# Altium PCB ANTS-MotherBoard-B1.PcbDoc (part 1 of 2) (continued)
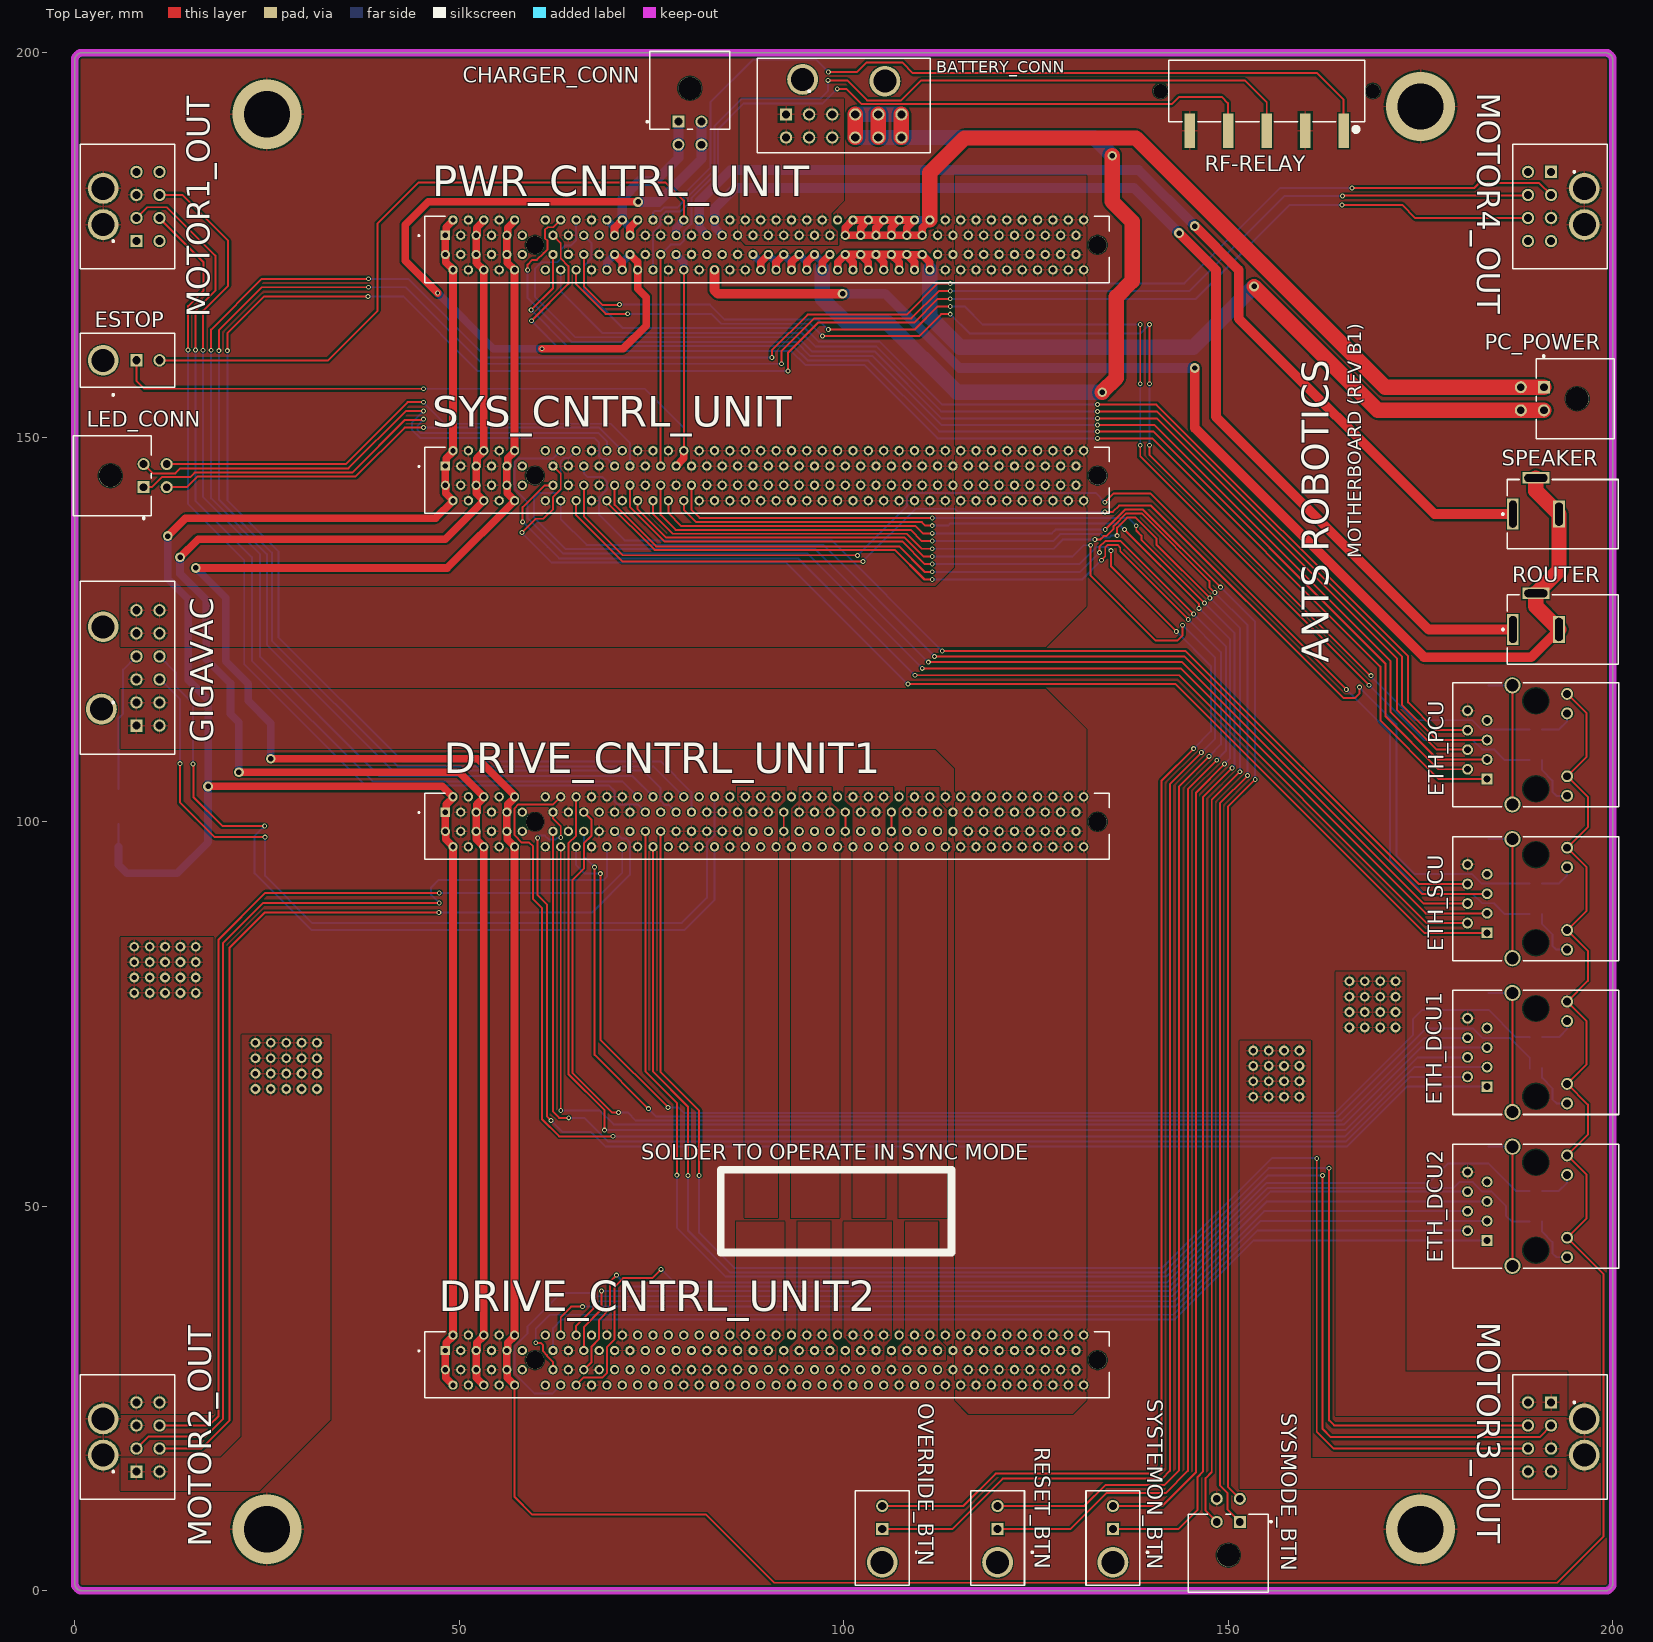
[diagram p0: Top Layer view]
## Part data (continued)
BATTERY_CONN GIGAVAC: library part "Molex 0430451-200", "3 mm Pitch Micro-Fit 3.0 Connector, 17.27 mm Mated Height, Vertical, Through Hole, 12 Circuits, -40 to 105 degC, RoHS, Tray", PartNumber=43045-0812, Temperature Max="105 degC", Temperature Min="-40 degC", ComponentLink1Description="Manufacturer URL", ComponentLink1URL=http://www.molex.com/, ComponentLink2Description=Datasheet, ComponentLink2URL=http://www.molex.com/webdocs/datasheets/pdf/en-us/0430450812_PCB_HEADERS.pdf, ComponentLink3Description="Package Specification", ComponentLink3URL=http://www.molex.com/pdm_docs/sd/430450812_sd.pdf, Mounting Technology="Through Hole", No. of Positions=8, No. of Rows=2, Orientation=Vertical, PackageDescription="8-Pin PCB Header, Vertical, Pitch 3 mm, Mated Height 17.27 mm, Through Hole", PackageVersion="Rev. F, 06/2009", Packing=Tray, Pitch="3 mm", RoHS=TRUE
C1 C2 C3 C4: library part CMP-2000-06032-1, "Chip Capacitor, 1000 pF, +/- 10%, 2000 V, -55 to 125 degC, 1812 (4532 Metric), RoHS, Tape and Reel", Capacitance=1000pF, Manufacturer=Kemet, Operating Temperature=-55°C~125°C, Package / Case=1812(4532Metric), Package Description="2-Pin Surface Mount Device, Body 4.5 x 3.2 mm", Package Reference=1812, Ratings=-, Standard Package=1, Temperature Coefficient=X7R, Tolerance=±10%, Voltage - Rated=2000V(2kV), Applications=SMPSFiltering, Catalog Drawings=ACTU_1812, Category=Capacitors, Datasheet URL=http://capacitoredge.kemet.com/capedge2/DataSheet/Datasheet-C1812C102KGRACTU.pdf?pn=C1812C102KGRACTU, Datasheet Version=09/2016, Family=CeramicCapacitors, Features=HighVoltage, Height - Seated (Max)=-, Kits=399-5086-ND-KITCERHI-VOLTAGECAPS, Lead Spacing=-, Lead Style=-, Manufacturer URL=http://www.kemet.com/, Mounting Technology=SurfaceMount, Mounting Type=SurfaceMount,MLCC, Online Catalog=X7RDielectricHighVoltage, Other Names=399-3447-1, Packaging=CutTape(CT), Product Training Modules=CapacitorBasics-TypicalUsesforCapacitors, Series=C, Size / Dimension="0.177\"Lx0.126\"W(4.50mmx3.20mm)", Thickness (Max)="0.061\"(1.55mm)"
C7 C8: library part CMP-1036-04607-3, "CAP CER 0.33UF 50V X7R 0805", Capacitance="0.33 μF", Manufacturer=KEMET, Manufacturer Part Number=C0805C334K5RACTU, Package=C0805C-DN, Temperature="-55°C to +125°C", Temperature Characteristic=X7R, Temperature Coefficient=30ppm/°C, Temperature Range High=+125°C, Temperature Range Low=-55°C, Tolerance=0.1, Voltage Rating="50 V", Automotive=No, Category=Cap, ComponentLink2Description=Datasheet, ComponentLink2URL=https://content.kemet.com/datasheets/KEM_C1003_C0G_SMD.pdf, Device Class L1="Passive Components", Device Class L2=Capacitors, Device Class L3="Ceramic Capacitors", Digikey Description="CAP CER 0.33UF 50V X7R 0805", Height=0.88mm, Ipc Land Pattern Name=CAPC200125X78, Lead Free=Yes, Material=Ceramic, Mouser Description="Multilayer Ceramic Capacitors MLCC - SMD/SMT 50volts 0.33uF 10% X7R", Octopart=https://octopart.com/c0805c334k5ractu-kemet-10475704, RoHS=TRUE
CHARGER_CONN LED_CONN PC_POWER SYSMODE_BTN: library part CMP-04776-000002-1, "CONN HEADER R/A 4POS 3MM", Current Rating=8.5A, Manufacturer=Molex, Temperature="-40°C to +105°C", Temperature Range High=+105°C, Temperature Range Low=-40°C, Voltage Rating=600V, Automotive=No, Category=Conn, ComponentLink2Description=Datasheet, ComponentLink2URL=https://www.molex.com/webdocs/datasheets/pdf/en-us/0430450400_PCB_HEADERS.pdf, Conn Gender=Male, Conn Orientation="Right Angle", Contact Material=Tin,Nickel, Device Class L1=Connectors, Device Class L2="Headers and Wire Housings", Device Class L3=unset, Digikey Description="CONN HEADER R/A 4POS 3MM", Footprint Url=https://www.molex.com/pdm_docs/sd/430450400_sd.pdf, Height=9.27mm, Is Female=yes, Lead Free=Yes, Manufacturer Part Number=43045-0400, Number Of Contacts=4, Number Of Rows=2, Octopart=https://octopart.com/43045-0400-molex-287063, Package=43045-0400, Pitch=3mm, RoHS=TRUE
DRIVE_CNTRL_UNIT1 DRIVE_CNTRL_UNIT2 PWR_CNTRL_UNIT SYS_CNTRL_UNIT: "164-position SAMTEC female header"
ESTOP OVERRIDE_BTN RESET_BTN SYSTEMON_BTN: library part "Molex 0430450-200", "3 mm Pitch Micro-Fit 3.0 Connector, 17.27 mm Mated Height, Vertical, Through Hole, 2 Circuits, -40 to 105 degC, RoHS, Tray", PartNumber=43045-0812, Temperature Max="105 degC", Temperature Min="-40 degC", ComponentLink1Description="Manufacturer URL", ComponentLink1URL=http://www.molex.com/, ComponentLink2Description=Datasheet, ComponentLink2URL=http://www.molex.com/webdocs/datasheets/pdf/en-us/0430450812_PCB_HEADERS.pdf, ComponentLink3Description="Package Specification", ComponentLink3URL=http://www.molex.com/pdm_docs/sd/430450812_sd.pdf, Mounting Technology="Through Hole", No. of Positions=8, No. of Rows=2, Orientation=Vertical, PackageDescription="8-Pin PCB Header, Vertical, Pitch 3 mm, Mated Height 17.27 mm, Through Hole", PackageVersion="Rev. F, 06/2009", Packing=Tray, Pitch="3 mm", RoHS=TRUE
ETH_DCU1 ETH_DCU2 ETH_PCU ETH_SCU: library part CMP-2000-07059-1, "1 Port RJ45 Magjack Connector with Yellow and Green LED, 10/100 Base-T, 12-Pin THD, RoHS, Tray", Manufacturer="Bel Fuse", Package Description="12-Pin Through Hole Device, Body 21.59 x 16.13 mm", Connector Type=RJ45, Contact Material=CopperAlloy, Contact Plating=Gold, Datasheet URL=http://belfuse.com/pdfs/SI-60062-F.pdf, Datasheet Version="Rev. B0, 09/2008", Depth=21.59mm, Gender=Female, Length=15.21mm, Manufacturer URL=http://belfuse.com/, Mounting Technology=ThroughHole, Mounting Type=ThroughHole, Number of Ways=8P4C, Orientation=Straight, Package Reference=SI-60062-F, Series=MagJack, Shield Type=STP, Width=17.98mm
MOTOR1_OUT MOTOR2_OUT MOTOR3_OUT MOTOR4_OUT: library part "Molex 0430450-800", "3 mm Pitch Micro-Fit 3.0 Connector, 17.27 mm Mated Height, Vertical, Through Hole, 8 Circuits, -40 to 105 degC, RoHS, Tray", PartNumber=43045-0812, Temperature Max="105 degC", Temperature Min="-40 degC", ComponentLink1Description="Manufacturer URL", ComponentLink1URL=http://www.molex.com/, ComponentLink2Description=Datasheet, ComponentLink2URL=http://www.molex.com/webdocs/datasheets/pdf/en-us/0430450812_PCB_HEADERS.pdf, ComponentLink3Description="Package Specification", ComponentLink3URL=http://www.molex.com/pdm_docs/sd/430450812_sd.pdf, Mounting Technology="Through Hole", No. of Positions=8, No. of Rows=2, Orientation=Vertical, PackageDescription="8-Pin PCB Header, Vertical, Pitch 3 mm, Mated Height 17.27 mm, Through Hole", PackageVersion="Rev. F, 06/2009", Packing=Tray, Pitch="3 mm", RoHS=TRUE
R1 R2 R3 R4 R5 R6 R7 R8: library part CMP-2000-06960-1, "Chip Resistor, 330 Ohm, +/- 1%, 125 mW, -55 to 155 degC, 0805 (2012 Metric), RoHS, Tape and Reel", Case Code - in=0805, Case Code - mm=2012, Manufacturer=Yageo, Operating Temperature Range=-55Cto+155C, Package Description="2-Pin Surface Mounted Device, Body 2 x 1.25 mm", Power Rating=125mW(1/8W), Resistance=330Ohms, Temperature Coefficient=100PPM/C, Tolerance=1%, Voltage Rating=150V, Datasheet URL=http://www.yageo.com/documents/recent/PYu-RC_Group_51_RoHS_L_7.pdf, Datasheet Version="Rev. 7, 05/2017", Manufacturer URL=http://www.yageo.com/, Mounting Technology=SurfaceMount, Package Reference=0805, Packaging=Reel, Product=ThickFilmResistorsGeneralPurpose, Series=RC, Termination Style=SMD/SMT
RF-RELAY: library part CMP-1502-03338-1, "Serie 7097 - 5.00 mm Horizontal Entry SMT with Pressure Clamp WR-TBL, 5 pin", Manufacturer="Wurth Elektronik", Operating Temperature=-45to130degC, Datasheet URL=http://katalog.we-online.de/em/datasheet/6917097103xx.pdf, Manufacturer URL=http://www.we-online.de, Mounting Technology=SMT, Package Reference=691709710305, Packaging=TapeandReelwithCap, Part Number=691709710305, Pin Number=5, Pitch=5.00mm, Publisher=WurthElektronik
ROUTER SPEAKER: library part CMP-2000-06895-1, "Through Hole Right Angle DC Power Jack, 2.5 A, 2 mm Center Pin, 3 Position, -25 to 85 degC, RoHS, Bulk", Current Rating=2.5A, Flammability Rating=UL94V-0, Insulation Resistance=50MOhms, Manufacturer=CUIInc., Operating Temperature Range=-25Cto+85C, Package Description="3-Pin Through Hole Device, Body 14.4 x 9 mm, Height 11 mm", Voltage Rating=24V, Brand=CUI, Connector Type=DCPowerJack, Contact Gender=Male, Contact Material=Copper, Contact Plating=Nickel, Datasheet URL=http://www.cui.com/product/resource/pj-002a.pdf, Datasheet Version="Rev. 1.03, 04/2016", Factory Pack Quantity=500, Housing Material=PolybutyleneTerephthalate(PBT), Inside Contact Diameter=2mm, Manufacturer URL=http://www.cui.com/, Mounting Angle=Right, Mounting Style=ThroughHole, Mounting Technology=ThroughHole, Outside Contact Diameter=6.5mm, Package Reference=PJ-002A, Product=Jacks, Product Category=DCPowerConnectors, RoHS=True, Termination Style=ThroughHole
U1: library part CMP-0244-00186-1, "Precision 500mA Regulator, 12V, 3-Pin DPAK, Tape and Reel", ComponentLink1Description="Manufacturer URL", ComponentLink1URL=http://www.st.com, ComponentLink2Description=Datasheet, ComponentLink2URL=http://www.st.com/internet/com/TECHNICAL_RESOURCES/TECHNICAL_LITERATURE/DATASHEET/CD00000448.pdf, DatasheetVersion=1/11/2010, PackageDescription="3-Pin Transistor Outline Package 2.28 mm Pitch, 9.7 mm Lead Span (DPAK)", PackageReference=TO-252, PackageVersion=2011

## Via types
v1: diameter 0.635, hole 0.356, Top Layer to Bottom Layer, 132 vias
v2: diameter 1.27, hole 0.711, Top Layer to Bottom Layer, 86 vias
v3: diameter 9, hole 6, Top Layer to Bottom Layer, 4 vias

## Nets (pads, with @x,y where several pads share a name; then routed paths per layer and width w, separated by ;. In a path a pad name is that pad's centre, name@x,y a point inside that pad or via, vN(x,y) a via of type N, cw(c..) or ccw(c..) an arc to the next point about the centre after c; other vN are vias at no path point)
3V3_DIGITAL: DRIVE_CNTRL_UNIT1.A9 DRIVE_CNTRL_UNIT1.A10 DRIVE_CNTRL_UNIT1.B9 DRIVE_CNTRL_UNIT1.B10 DRIVE_CNTRL_UNIT2.A9 DRIVE_CNTRL_UNIT2.A10 DRIVE_CNTRL_UNIT2.B9 DRIVE_CNTRL_UNIT2.B10 ETH_DCU1.10 ETH_DCU1.12 ETH_DCU2.10 ETH_DCU2.12 ETH_PCU.10 ETH_PCU.12 ETH_SCU.10 ETH_SCU.12 PWR_CNTRL_UNIT.A9 PWR_CNTRL_UNIT.A10 PWR_CNTRL_UNIT.B9 PWR_CNTRL_UNIT.B10 SYS_CNTRL_UNIT.A9 SYS_CNTRL_UNIT.A10 SYS_CNTRL_UNIT.B9 SYS_CNTRL_UNIT.B10 | length 512.7
  Top Layer w0.254: DRIVE_CNTRL_UNIT2.B10@57.2,26.75 57.2,12.2 59.5,9.9 82.1,9.9 90.95,1.05 192.75,1.05 198.8,7.1 198.8,41.175 ETH_DCU2.10@194.06,45.915 196.6,48.455 196.6,54.085 ETH_DCU2.12@194.06,56.625 196.75,59.315 196.75,63.225 ETH_DCU1.10@194.06,65.915 196.6,68.455 196.6,74.085 ETH_DCU1.12@194.06,76.625 196.75,79.315 196.75,83.225 ETH_SCU.10@194.06,85.915 196.6,88.455 196.6,94.085 ETH_SCU.12@194.06,96.625 196.75,99.315 196.75,103.225 ETH_PCU.10@194.06,105.915 196.6,108.455 196.6,114.085 ETH_PCU.12@194.06,116.625
  Top Layer w1: v2(15.75,133) 48.45,133 SYS_CNTRL_UNIT.B10@57.2,141.75 56.24,142.71 SYS_CNTRL_UNIT.B9@56.24,143.654 ; v2(25.5,108.2) 52.4,108.2 57.2,103.4 DRIVE_CNTRL_UNIT1.A10@57.2,103.25 ; DRIVE_CNTRL_UNIT2.B9@56.2,28.694 DRIVE_CNTRL_UNIT2.B9@56.2,28.75 DRIVE_CNTRL_UNIT2.A9@56.2,31.194 ; DRIVE_CNTRL_UNIT1.B9@56.2,98.694 DRIVE_CNTRL_UNIT1.B9@56.2,98.75 DRIVE_CNTRL_UNIT1.A9@56.2,101.194 ; SYS_CNTRL_UNIT.B9@56.2,143.694 SYS_CNTRL_UNIT.B9@56.2,143.75 SYS_CNTRL_UNIT.A9@56.2,146.194 ; PWR_CNTRL_UNIT.B9@56.2,173.694 PWR_CNTRL_UNIT.B9@56.2,173.75 PWR_CNTRL_UNIT.A9@56.2,176.194 ; DRIVE_CNTRL_UNIT2.B9@56.24,28.654 56.24,27.71 DRIVE_CNTRL_UNIT2.B10@57.2,26.75 ; DRIVE_CNTRL_UNIT1.B9@56.24,98.654 56.24,97.71 DRIVE_CNTRL_UNIT1.B10@57.2,96.75 DRIVE_CNTRL_UNIT2.A10@57.2,33.25 ; PWR_CNTRL_UNIT.B9@56.24,173.654 56.24,172.71 PWR_CNTRL_UNIT.B10@57.2,171.75 SYS_CNTRL_UNIT.A10@57.2,148.25 ; DRIVE_CNTRL_UNIT2.A9@56.304,31.298 56.304,32.241 DRIVE_CNTRL_UNIT2.A10@57.2,33.137 ; DRIVE_CNTRL_UNIT1.A9@56.304,101.298 56.304,102.241 DRIVE_CNTRL_UNIT1.A10@57.2,103.137 ; SYS_CNTRL_UNIT.A9@56.304,146.298 56.304,147.241 SYS_CNTRL_UNIT.A10@57.2,148.137 ; PWR_CNTRL_UNIT.A9@56.304,176.298 56.304,177.241 PWR_CNTRL_UNIT.A10@57.2,178.137
  Bottom Layer w1: v2(15.75,133) 19.65,129.1 19.65,120.85 22.55,117.95 22.55,115.728 25.5,112.778 v2(25.5,108.2)
5V_DIGITAL: DRIVE_CNTRL_UNIT1.A5 DRIVE_CNTRL_UNIT1.A6 DRIVE_CNTRL_UNIT1.B5 DRIVE_CNTRL_UNIT1.B6 DRIVE_CNTRL_UNIT2.A5 DRIVE_CNTRL_UNIT2.A6 DRIVE_CNTRL_UNIT2.B5 DRIVE_CNTRL_UNIT2.B6 PWR_CNTRL_UNIT.A5 PWR_CNTRL_UNIT.A6 PWR_CNTRL_UNIT.B5 PWR_CNTRL_UNIT.B6 SYS_CNTRL_UNIT.A5 SYS_CNTRL_UNIT.A6 SYS_CNTRL_UNIT.B5 SYS_CNTRL_UNIT.B6 | length 221.9
  Top Layer w1: v2(13.7,134.4) 16.05,136.75 48.2,136.75 SYS_CNTRL_UNIT.B6@53.2,141.75 52.24,142.71 SYS_CNTRL_UNIT.B5@52.24,143.654 ; v2(21.35,106.45) 50,106.45 DRIVE_CNTRL_UNIT1.A6@53.2,103.25 ; DRIVE_CNTRL_UNIT2.B5@52.2,28.694 DRIVE_CNTRL_UNIT2.B5@52.2,28.75 DRIVE_CNTRL_UNIT2.A5@52.2,31.194 ; DRIVE_CNTRL_UNIT1.B5@52.2,98.694 DRIVE_CNTRL_UNIT1.B5@52.2,98.75 DRIVE_CNTRL_UNIT1.A5@52.2,101.194 ; SYS_CNTRL_UNIT.B5@52.2,143.694 SYS_CNTRL_UNIT.B5@52.2,143.75 SYS_CNTRL_UNIT.A5@52.2,146.194 ; PWR_CNTRL_UNIT.B5@52.2,173.694 PWR_CNTRL_UNIT.B5@52.2,173.75 PWR_CNTRL_UNIT.A5@52.2,176.194 ; DRIVE_CNTRL_UNIT2.B5@52.24,28.654 52.24,27.71 DRIVE_CNTRL_UNIT2.B6@53.2,26.75 ; DRIVE_CNTRL_UNIT1.B5@52.24,98.654 52.24,97.71 DRIVE_CNTRL_UNIT1.B6@53.2,96.75 DRIVE_CNTRL_UNIT2.A6@53.2,33.25 ; PWR_CNTRL_UNIT.B5@52.24,173.654 52.24,172.71 PWR_CNTRL_UNIT.B6@53.2,171.75 SYS_CNTRL_UNIT.A6@53.2,148.25 ; DRIVE_CNTRL_UNIT2.A5@52.304,31.298 52.304,32.241 DRIVE_CNTRL_UNIT2.A6@53.2,33.137 ; DRIVE_CNTRL_UNIT1.A5@52.304,101.298 52.304,102.241 DRIVE_CNTRL_UNIT1.A6@53.2,103.137 ; SYS_CNTRL_UNIT.A5@52.304,146.298 52.304,147.241 SYS_CNTRL_UNIT.A6@53.2,148.137 ; PWR_CNTRL_UNIT.A5@52.304,176.298 52.304,177.241 PWR_CNTRL_UNIT.A6@53.2,178.137
  Bottom Layer w1: v2(13.7,134.4) 13.7,132.25 17.1,128.85 17.1,121.15 20.25,118 20.25,114.023 21.35,112.923 v2(21.35,106.45)
12V_RF_RELAY: PWR_CNTRL_UNIT.A26 RF-RELAY.1 | length 111.7
  Top Layer w0.254: v1(98,197.5) 101.75,197.5 102.95,198.7 107.65,198.7 109,197.35 161.55,197.35 165,193.9 RF-RELAY.1@165,189.85
  Bottom Layer w0.254: PWR_CNTRL_UNIT.A26@75.2,178.25 75.2,179.2 75.4,179.4 76.15,179.4 76.6,179.85 78.35,179.85 79.15,180.65 79.15,181.55 82.7,185.1 82.7,193.6 88.2,199.1 96.4,199.1 v1(98,197.5)
12V_SIG_RF: PWR_CNTRL_UNIT.B26 RF-RELAY.3 | length 105.4
  Top Layer w0.254: v1(97.95,196.4) 100.45,196.4 103.05,193.8 107.45,193.8 110.05,196.4 152.15,196.4 155,193.55 155,190.15 154.85,190 RF-RELAY.3@155,189.85
  Bottom Layer w0.254: PWR_CNTRL_UNIT.B26@75.2,171.75 75.2,176.65 76.2,177.65 76.2,178.65 76.9,179.35 78.8,179.35 79.745,180.295 79.745,181.245 83.191,184.691 83.191,190.441 86.8,194.05 97,194.05 97.95,195 v1(97.95,196.4)
+12_GIGAVAC: C8.1 GIGAVAC.4 U1.3 | length 18.2
  Bottom Layer w0.254: U1.3@5.7,104.28 C8.1@5.7,107.25 5.7,113.45 6.3,114.05 6.3,119.77 GIGAVAC.4@8.03,121.5
+12V_ROUTER: PWR_CNTRL_UNIT.A34 PWR_CNTRL_UNIT.A35 ROUTER.1 | length 143.8
  Top Layer w1.27: v2(143.6,176.55) 148.4,171.75 148.4,152.65 176.05,125 ROUTER.1@187,125
  Bottom Layer w1.016: PWR_CNTRL_UNIT.A34@83.237,178.213 83.237,177.265 84.2,176.302 PWR_CNTRL_UNIT.A35@84.2,176.25
  Bottom Layer w1.27: PWR_CNTRL_UNIT.A34@83.2,178.25 83.237,178.213 83.237,179.787 85.85,182.4 137.75,182.4 v2(143.6,176.55)
+12V_SPEAKER: PWR_CNTRL_UNIT.A32 PWR_CNTRL_UNIT.A33 SPEAKER.1 | length 134.5
  Top Layer w1.27: v2(145.65,177.45) 151.35,171.75 151.35,165.45 176.8,140 SPEAKER.1@187,140
  Bottom Layer w1.016: PWR_CNTRL_UNIT.A32@81.2,178.25 81.237,178.213 81.237,177.265 82.2,176.302 PWR_CNTRL_UNIT.A33@82.2,176.25
  Bottom Layer w1.27: PWR_CNTRL_UNIT.A32@81.2,178.25 81.2,180.65 85.3,184.75 138.35,184.75 v2(145.65,177.45)
+19V_PC: PC_POWER.1 PC_POWER.3 PWR_CNTRL_UNIT.A51 PWR_CNTRL_UNIT.A52 PWR_CNTRL_UNIT.A53 PWR_CNTRL_UNIT.A54 PWR_CNTRL_UNIT.A55 PWR_CNTRL_UNIT.A56 PWR_CNTRL_UNIT.A57 PWR_CNTRL_UNIT.A58 PWR_CNTRL_UNIT.A59 PWR_CNTRL_UNIT.A60 PWR_CNTRL_UNIT.A61 PWR_CNTRL_UNIT.A62 | length 168.2
  Top Layer w1: PWR_CNTRL_UNIT.A62@111.2,178.25 110.2,177.25 PWR_CNTRL_UNIT.A61@110.2,176.25 PWR_CNTRL_UNIT.A59@108.2,176.25 ; PWR_CNTRL_UNIT.A53@102.2,176.25 102.2,177.25 PWR_CNTRL_UNIT.A54@103.2,178.25 ; PWR_CNTRL_UNIT.A53@102.2,176.25 PWR_CNTRL_UNIT.A51@100.2,176.25 100.2,177.25 PWR_CNTRL_UNIT.A52@101.2,178.25 PWR_CNTRL_UNIT.A54@103.2,178.25 ; PWR_CNTRL_UNIT.A53@102.2,176.25 PWR_CNTRL_UNIT.A55@104.2,176.25 ; PWR_CNTRL_UNIT.A54@103.2,178.25 PWR_CNTRL_UNIT.A56@105.2,178.25 ; PWR_CNTRL_UNIT.A55@104.2,176.25 104.2,177.25 PWR_CNTRL_UNIT.A56@105.2,178.25 ; PWR_CNTRL_UNIT.A55@104.2,176.25 PWR_CNTRL_UNIT.A57@106.2,176.25 ; PWR_CNTRL_UNIT.A56@105.2,178.25 PWR_CNTRL_UNIT.A58@107.2,178.25 ; PWR_CNTRL_UNIT.A57@106.2,176.25 106.2,177.25 PWR_CNTRL_UNIT.A58@107.2,178.25 ; PWR_CNTRL_UNIT.A57@106.2,176.25 PWR_CNTRL_UNIT.A59@108.2,176.25 ; PWR_CNTRL_UNIT.A58@107.2,178.25 PWR_CNTRL_UNIT.A60@109.2,178.25 108.2,177.25 PWR_CNTRL_UNIT.A59@108.2,176.25
  Top Layer w2: PWR_CNTRL_UNIT.A62@111.2,178.25 111.2,184.4 115.7,188.9 138,188.9 170.4,156.5 PC_POWER.3@188.035,156.5 PC_POWER.1@191.035,156.5
  Bottom Layer w1: PWR_CNTRL_UNIT.A53@102.2,176.25 PWR_CNTRL_UNIT.A55@104.2,176.25 ; PWR_CNTRL_UNIT.A53@102.2,176.25 102.2,177.25 PWR_CNTRL_UNIT.A54@103.2,178.25 ; PWR_CNTRL_UNIT.A53@102.2,176.25 PWR_CNTRL_UNIT.A51@100.2,176.25 100.2,177.25 PWR_CNTRL_UNIT.A52@101.2,178.25 PWR_CNTRL_UNIT.A54@103.2,178.25 ; PWR_CNTRL_UNIT.A54@103.2,178.25 PWR_CNTRL_UNIT.A56@105.2,178.25 ; PWR_CNTRL_UNIT.A55@104.2,176.25 PWR_CNTRL_UNIT.A57@106.2,176.25 ; PWR_CNTRL_UNIT.A55@104.2,176.25 104.2,177.25 PWR_CNTRL_UNIT.A56@105.2,178.25 ; PWR_CNTRL_UNIT.A56@105.2,178.25 PWR_CNTRL_UNIT.A58@107.2,178.25 ; PWR_CNTRL_UNIT.A57@106.2,176.25 PWR_CNTRL_UNIT.A59@108.2,176.25 ; PWR_CNTRL_UNIT.A57@106.2,176.25 106.2,177.25 PWR_CNTRL_UNIT.A58@107.2,178.25 ; PWR_CNTRL_UNIT.A58@107.2,178.25 PWR_CNTRL_UNIT.A60@109.2,178.25 ; PWR_CNTRL_UNIT.A59@108.2,176.25 PWR_CNTRL_UNIT.A61@110.2,176.25 110.2,177.25 PWR_CNTRL_UNIT.A62@111.2,178.25 PWR_CNTRL_UNIT.A60@109.2,178.25 ; PWR_CNTRL_UNIT.A59@108.2,176.25 108.2,177.25 PWR_CNTRL_UNIT.A60@109.2,178.25
+24V_BAT_RAW: BATTERY_CONN.1 BATTERY_CONN.2 BATTERY_CONN.3 BATTERY_CONN.7 BATTERY_CONN.8 BATTERY_CONN.9 PWR_CNTRL_UNIT.A38 PWR_CNTRL_UNIT.A39 PWR_CNTRL_UNIT.A40 PWR_CNTRL_UNIT.A41 PWR_CNTRL_UNIT.A42 PWR_CNTRL_UNIT.A43 PWR_CNTRL_UNIT.A44 PWR_CNTRL_UNIT.A45 PWR_CNTRL_UNIT.A46 PWR_CNTRL_UNIT.A47 PWR_CNTRL_UNIT.A48 PWR_CNTRL_UNIT.A49
+24V_DIGITAL: C7.1 DRIVE_CNTRL_UNIT1.A1 DRIVE_CNTRL_UNIT1.A2 DRIVE_CNTRL_UNIT1.B1 DRIVE_CNTRL_UNIT1.B2 DRIVE_CNTRL_UNIT2.A1 DRIVE_CNTRL_UNIT2.A2 DRIVE_CNTRL_UNIT2.B1 DRIVE_CNTRL_UNIT2.B2 PWR_CNTRL_UNIT.A1 PWR_CNTRL_UNIT.A2 PWR_CNTRL_UNIT.B1 PWR_CNTRL_UNIT.B2 SYS_CNTRL_UNIT.A1 SYS_CNTRL_UNIT.A2 SYS_CNTRL_UNIT.B1 SYS_CNTRL_UNIT.B2 U1.1 | length 247.9
  Top Layer w1: v2(12.1,137.15) 14.406,139.456 46.906,139.456 SYS_CNTRL_UNIT.B2@49.2,141.75 48.24,142.71 SYS_CNTRL_UNIT.B1@48.24,143.654 ; v2(17.35,104.6) 47.794,104.6 49.144,103.25 DRIVE_CNTRL_UNIT1.A2@49.2,103.25 ; DRIVE_CNTRL_UNIT2.B1@48.2,28.694 DRIVE_CNTRL_UNIT2.B1@48.2,28.75 DRIVE_CNTRL_UNIT2.A1@48.2,31.194 ; DRIVE_CNTRL_UNIT1.B1@48.2,98.694 DRIVE_CNTRL_UNIT1.B1@48.2,98.75 DRIVE_CNTRL_UNIT1.A1@48.2,101.194 ; SYS_CNTRL_UNIT.B1@48.2,143.694 SYS_CNTRL_UNIT.B1@48.2,143.75 SYS_CNTRL_UNIT.A1@48.2,146.194 ; DRIVE_CNTRL_UNIT2.B1@48.24,28.654 48.24,27.71 DRIVE_CNTRL_UNIT2.B2@49.2,26.75 ; DRIVE_CNTRL_UNIT1.B1@48.24,98.654 48.24,97.71 DRIVE_CNTRL_UNIT1.B2@49.2,96.75 DRIVE_CNTRL_UNIT2.A2@49.2,33.25 ; DRIVE_CNTRL_UNIT2.A1@48.304,31.298 48.304,32.241 DRIVE_CNTRL_UNIT2.A2@49.2,33.137 ; DRIVE_CNTRL_UNIT1.A1@48.304,101.298 48.304,102.241 DRIVE_CNTRL_UNIT1.A2@49.2,103.137 ; SYS_CNTRL_UNIT.A1@48.304,146.298 48.304,147.241 SYS_CNTRL_UNIT.A2@49.2,148.137 ; SYS_CNTRL_UNIT.A2@49.2,148.25 PWR_CNTRL_UNIT.B2@49.2,171.75 49.2,171.806 48.24,172.766 48.24,173.71 PWR_CNTRL_UNIT.B1@48.2,173.75 PWR_CNTRL_UNIT.A1@48.2,176.25 48.304,176.354 48.304,177.298 49.2,178.194 PWR_CNTRL_UNIT.A2@49.2,178.25
  Bottom Layer w0.254: C7.1@5.7,96.75 U1.1@5.7,99.72
  Bottom Layer w1: v2(12.1,137.15) 12.1,131.603 14.75,128.953 14.75,118.427 17.35,115.827 v2(17.35,104.6)
  Bottom Layer w1.016: C7.1@5.7,96.75 5.7,94.4 6.8,93.3 13.3,93.3 17.35,97.35 v2(17.35,104.6)
+24V_MOTOR: DRIVE_CNTRL_UNIT1.A66 DRIVE_CNTRL_UNIT1.A67 DRIVE_CNTRL_UNIT1.A68 DRIVE_CNTRL_UNIT1.A69 DRIVE_CNTRL_UNIT1.A70 DRIVE_CNTRL_UNIT1.A71 DRIVE_CNTRL_UNIT1.A72 DRIVE_CNTRL_UNIT1.A73 DRIVE_CNTRL_UNIT1.A74 DRIVE_CNTRL_UNIT1.A75 DRIVE_CNTRL_UNIT1.A76 DRIVE_CNTRL_UNIT1.A77 DRIVE_CNTRL_UNIT1.A78 DRIVE_CNTRL_UNIT1.A79 DRIVE_CNTRL_UNIT1.A80 DRIVE_CNTRL_UNIT1.A81 DRIVE_CNTRL_UNIT1.A82 DRIVE_CNTRL_UNIT1.B66 DRIVE_CNTRL_UNIT1.B67 DRIVE_CNTRL_UNIT1.B68 DRIVE_CNTRL_UNIT1.B69 DRIVE_CNTRL_UNIT1.B70 DRIVE_CNTRL_UNIT1.B71 DRIVE_CNTRL_UNIT1.B72 DRIVE_CNTRL_UNIT1.B73 DRIVE_CNTRL_UNIT1.B74 DRIVE_CNTRL_UNIT1.B75 DRIVE_CNTRL_UNIT1.B76 DRIVE_CNTRL_UNIT1.B77 DRIVE_CNTRL_UNIT1.B78 DRIVE_CNTRL_UNIT1.B79 DRIVE_CNTRL_UNIT1.B80 DRIVE_CNTRL_UNIT1.B81 DRIVE_CNTRL_UNIT1.B82 DRIVE_CNTRL_UNIT2.A66 DRIVE_CNTRL_UNIT2.A67 DRIVE_CNTRL_UNIT2.A68 DRIVE_CNTRL_UNIT2.A69 DRIVE_CNTRL_UNIT2.A70 DRIVE_CNTRL_UNIT2.A71 DRIVE_CNTRL_UNIT2.A72 DRIVE_CNTRL_UNIT2.A73 DRIVE_CNTRL_UNIT2.A74 DRIVE_CNTRL_UNIT2.A75 DRIVE_CNTRL_UNIT2.A76 DRIVE_CNTRL_UNIT2.A77 DRIVE_CNTRL_UNIT2.A78 DRIVE_CNTRL_UNIT2.A79 DRIVE_CNTRL_UNIT2.A80 DRIVE_CNTRL_UNIT2.A81 DRIVE_CNTRL_UNIT2.A82 DRIVE_CNTRL_UNIT2.B66 DRIVE_CNTRL_UNIT2.B67 DRIVE_CNTRL_UNIT2.B68 DRIVE_CNTRL_UNIT2.B69 DRIVE_CNTRL_UNIT2.B70 DRIVE_CNTRL_UNIT2.B71 DRIVE_CNTRL_UNIT2.B72 DRIVE_CNTRL_UNIT2.B73 DRIVE_CNTRL_UNIT2.B74 DRIVE_CNTRL_UNIT2.B75 DRIVE_CNTRL_UNIT2.B76 DRIVE_CNTRL_UNIT2.B77 DRIVE_CNTRL_UNIT2.B78 DRIVE_CNTRL_UNIT2.B79 DRIVE_CNTRL_UNIT2.B80 DRIVE_CNTRL_UNIT2.B81 DRIVE_CNTRL_UNIT2.B82 GIGAVAC.1 GIGAVAC.2 GIGAVAC.7 GIGAVAC.8
+24V_MOTOR_CONT: GIGAVAC.5 GIGAVAC.6 GIGAVAC.11 GIGAVAC.12 PWR_CNTRL_UNIT.A66 PWR_CNTRL_UNIT.A67 PWR_CNTRL_UNIT.A68 PWR_CNTRL_UNIT.A69 PWR_CNTRL_UNIT.A70 PWR_CNTRL_UNIT.A71 PWR_CNTRL_UNIT.A72 PWR_CNTRL_UNIT.A73 PWR_CNTRL_UNIT.A74 PWR_CNTRL_UNIT.A75 PWR_CNTRL_UNIT.A76 PWR_CNTRL_UNIT.A77 PWR_CNTRL_UNIT.A78 PWR_CNTRL_UNIT.A79 PWR_CNTRL_UNIT.A80 PWR_CNTRL_UNIT.A81 PWR_CNTRL_UNIT.A82 PWR_CNTRL_UNIT.B66 PWR_CNTRL_UNIT.B67 PWR_CNTRL_UNIT.B68 PWR_CNTRL_UNIT.B69 PWR_CNTRL_UNIT.B70 PWR_CNTRL_UNIT.B71 PWR_CNTRL_UNIT.B72 PWR_CNTRL_UNIT.B73 PWR_CNTRL_UNIT.B74 PWR_CNTRL_UNIT.B75 PWR_CNTRL_UNIT.B76 PWR_CNTRL_UNIT.B77 PWR_CNTRL_UNIT.B78 PWR_CNTRL_UNIT.B79 PWR_CNTRL_UNIT.B80 PWR_CNTRL_UNIT.B81 PWR_CNTRL_UNIT.B82 SYS_CNTRL_UNIT.A66 SYS_CNTRL_UNIT.A67 SYS_CNTRL_UNIT.A68 SYS_CNTRL_UNIT.A69 SYS_CNTRL_UNIT.A70 SYS_CNTRL_UNIT.A71 SYS_CNTRL_UNIT.A72 SYS_CNTRL_UNIT.A73 SYS_CNTRL_UNIT.A74 SYS_CNTRL_UNIT.A75 SYS_CNTRL_UNIT.A76 SYS_CNTRL_UNIT.A77 SYS_CNTRL_UNIT.A78 SYS_CNTRL_UNIT.A79 SYS_CNTRL_UNIT.A80 SYS_CNTRL_UNIT.A81 SYS_CNTRL_UNIT.A82 SYS_CNTRL_UNIT.B66 SYS_CNTRL_UNIT.B67 SYS_CNTRL_UNIT.B68 SYS_CNTRL_UNIT.B69 SYS_CNTRL_UNIT.B70 SYS_CNTRL_UNIT.B71 SYS_CNTRL_UNIT.B72 SYS_CNTRL_UNIT.B73 SYS_CNTRL_UNIT.B74 SYS_CNTRL_UNIT.B75 SYS_CNTRL_UNIT.B76 SYS_CNTRL_UNIT.B77 SYS_CNTRL_UNIT.B78 SYS_CNTRL_UNIT.B79 SYS_CNTRL_UNIT.B80 SYS_CNTRL_UNIT.B81 SYS_CNTRL_UNIT.B82
ACT_LED_DCU1: DRIVE_CNTRL_UNIT1.B17 R6.2 | length 162.4
  Top Layer w0.254: v1(67.6,94.1) 67.6,69.7 v1(74.6,62.7)
  Bottom Layer w0.254: DRIVE_CNTRL_UNIT1.B17@66.2,98.75 66.2,95.5 v1(67.6,94.1) ; v1(74.6,62.7) 75.65,61.65 164.25,61.65 175.7,73.1 181.85,73.1 183.05,71.9 186.6,71.9 189.2,69.3 189.2,67.9 R6.2@189.2,68
ACT_LED_DCU2: DRIVE_CNTRL_UNIT2.B17 R8.2 | length 141.9
  Top Layer w0.254: DRIVE_CNTRL_UNIT2.B17@66.2,28.75 67.2,29.75 67.2,31.75 68.2,32.75 68.2,35.25 69.6,36.65 69.6,40.2 v1(70.45,41.05)
  Bottom Layer w0.254: v1(70.45,41.05) 71.95,39.55 142.3,39.55 155.15,52.4 179.3,52.4 180.05,53.15 181.8,53.15 183.05,51.9 184.25,51.9 186.1,50.05 186.1,48.8 186.9,48 R8.2@189.2,48
ACT_LED_PCU: PWR_CNTRL_UNIT.B17 R2.2 | length 165.2
  Top Layer w0.254: PWR_CNTRL_UNIT.B17@66.2,173.75 66.2,169.6 68.6,167.2 70.8,167.2 v1(70.85,167.25) ; v1(98,164) 109.2,164 112.2,167 v1(113.85,167) ; v1(138.55,148.95) 138.55,147.5 v1(168.3,117.75) ; v1(138.55,156.95) v1(138.55,164.65)
  Bottom Layer w0.254: v1(70.85,167.25) 82.6,167.25 84.55,165.3 96.7,165.3 v1(98,164) ; v1(113.85,167) 115.7,167 118.05,164.65 v1(138.55,164.65) ; v1(138.55,148.95) v1(138.55,156.95) ; v1(168.3,117.75) 175.45,110.6 181.8,110.6 183,109.4 184.55,109.4 185.95,108 R2.2@189.2,108
ACT_LED_SCU: R4.2 SYS_CNTRL_UNIT.B17 | length 166.6
  Top Layer w0.254: SYS_CNTRL_UNIT.B17@66.2,143.75 66.2,139.7 71.25,134.65 101.756,134.65 v1(101.8,134.606) ; v1(133.95,141.55) 135.1,142.7 139.85,142.7 v1(165.35,117.2)
  Bottom Layer w0.254: v1(101.8,134.606) 101.8,134.65 108.2,141.05 108.2,142.25 108.7,142.75 132.75,142.75 v1(133.95,141.55) ; v1(165.35,117.2) 171,111.55 171,95.05 175.45,90.6 181.8,90.6 183,89.4 184.55,89.4 185.95,88 R4.2@189.2,88
BAT_GND: BATTERY_CONN.4 BATTERY_CONN.5 BATTERY_CONN.6 BATTERY_CONN.10 BATTERY_CONN.11 BATTERY_CONN.12 PWR_CNTRL_UNIT.B39 PWR_CNTRL_UNIT.B40 PWR_CNTRL_UNIT.B41 PWR_CNTRL_UNIT.B42 PWR_CNTRL_UNIT.B43 PWR_CNTRL_UNIT.B44 PWR_CNTRL_UNIT.B45 PWR_CNTRL_UNIT.B46 PWR_CNTRL_UNIT.B47 PWR_CNTRL_UNIT.B48 PWR_CNTRL_UNIT.B49 | length 152.1
  Top Layer w1: PWR_CNTRL_UNIT.B40@89.2,171.75 89.2,172.75 PWR_CNTRL_UNIT.B41@90.2,173.75 ; PWR_CNTRL_UNIT.B42@91.2,171.75 91.2,172.75 PWR_CNTRL_UNIT.B43@92.2,173.75 ; PWR_CNTRL_UNIT.B44@93.2,171.75 93.2,172.75 PWR_CNTRL_UNIT.B45@94.2,173.75 ; PWR_CNTRL_UNIT.B46@95.2,171.75 95.2,172.75 PWR_CNTRL_UNIT.B47@96.2,173.75 ; PWR_CNTRL_UNIT.B48@97.2,171.75 97.2,172.75 PWR_CNTRL_UNIT.B49@98.2,173.75
  Top Layer w2: BATTERY_CONN.10@101.5,188.97 BATTERY_CONN.4@101.5,191.97 ; BATTERY_CONN.11@104.5,188.97 BATTERY_CONN.5@104.5,191.97 ; BATTERY_CONN.12@107.5,188.97 BATTERY_CONN.6@107.5,191.97 ; v2(133.6,155.85) 135.45,157.7 135.45,168.25 137.5,170.3 137.5,178.05 134.9,180.65 v2(134.9,186.6)
  Bottom Layer w1: PWR_CNTRL_UNIT.B39@88.2,173.75 89.2,172.75 PWR_CNTRL_UNIT.B40@89.2,171.75 ; PWR_CNTRL_UNIT.B41@90.2,173.75 91.2,172.75 PWR_CNTRL_UNIT.B42@91.2,171.75 ; PWR_CNTRL_UNIT.B43@92.2,173.75 93.2,172.75 PWR_CNTRL_UNIT.B44@93.2,171.75 ; PWR_CNTRL_UNIT.B45@94.2,173.75 95.2,172.75 PWR_CNTRL_UNIT.B46@95.2,171.75 ; PWR_CNTRL_UNIT.B47@96.2,173.75 97.2,172.75 PWR_CNTRL_UNIT.B48@97.2,171.75
  Bottom Layer w2: PWR_CNTRL_UNIT.B48@97.2,171.75 97.2,168.05 100.35,164.9 105.65,164.9 114.7,155.85 v2(133.6,155.85) ; BATTERY_CONN.10@101.5,188.97 BATTERY_CONN.11@104.5,188.97 BATTERY_CONN.12@107.5,188.97 132.53,188.97 v2(134.9,186.6) ; BATTERY_CONN.4@101.5,191.97 BATTERY_CONN.5@104.5,191.97 BATTERY_CONN.6@107.5,191.97
CHARGER_VCC: CHARGER_CONN.1 CHARGER_CONN.3 PWR_CNTRL_UNIT.A20 PWR_CNTRL_UNIT.A21 PWR_CNTRL_UNIT.A22 PWR_CNTRL_UNIT.A23 PWR_CNTRL_UNIT.A24 | length 27.7
  Top Layer w1: PWR_CNTRL_UNIT.A21@70.197,176.228 70.197,177.228 ; 70.2,177.25 PWR_CNTRL_UNIT.A22@71.2,178.25 ; PWR_CNTRL_UNIT.A23@72.197,176.228 72.197,177.228 ; 72.2,177.25 PWR_CNTRL_UNIT.A24@73.2,178.25
  Bottom Layer w1: PWR_CNTRL_UNIT.A20@69.2,178.25 70.2,177.25 PWR_CNTRL_UNIT.A21@70.2,176.25 ; PWR_CNTRL_UNIT.A22@71.2,178.25 72.2,177.25 PWR_CNTRL_UNIT.A23@72.2,176.25 ; PWR_CNTRL_UNIT.A23@72.203,176.228 72.203,177.228
  Bottom Layer w1.27: PWR_CNTRL_UNIT.A22@71.2,178.25 71.2,181.05 73.45,183.3 75.5,183.3 78.5,186.3 CHARGER_CONN.3@78.5,188.035 CHARGER_CONN.1@78.5,191.035
CHRG_GND: CHARGER_CONN.2 CHARGER_CONN.4 PWR_CNTRL_UNIT.B20 PWR_CNTRL_UNIT.B21 PWR_CNTRL_UNIT.B22 PWR_CNTRL_UNIT.B23 PWR_CNTRL_UNIT.B24 | length 106.2
  Top Layer w0.508: PWR_CNTRL_UNIT.B23@72.2,173.75 72.2,173.769 72.197,173.772 PWR_CNTRL_UNIT.B23@72.222,173.772
  Top Layer w1: v1(47.2,168.75) 43,172.95 43,177.6 46,180.6 v2(73.25,180.6) ; v1(60.75,161.5) 71.3,161.5 74.3,164.5 74.3,168.2 73.2,169.3 PWR_CNTRL_UNIT.B24@73.2,171.75 73.2,172.75 ; PWR_CNTRL_UNIT.B21@70.197,173.772 71.197,172.772 ; PWR_CNTRL_UNIT.B22@71.2,171.75 71.2,172.75 ; PWR_CNTRL_UNIT.B23@72.2,173.769 73.197,172.772
  Bottom Layer w1: v1(47.2,168.75) 54.45,161.5 v1(60.75,161.5) ; PWR_CNTRL_UNIT.B20@69.2,171.75 69.2,172.75 PWR_CNTRL_UNIT.B21@70.2,173.75 ; PWR_CNTRL_UNIT.B22@71.2,171.75 71.2,172.75 PWR_CNTRL_UNIT.B23@72.2,173.75
  Bottom Layer w1.27: v2(73.25,180.6) 75.9,180.6 81.5,186.2 CHARGER_CONN.4@81.5,188.035 CHARGER_CONN.2@81.5,191.035
ENC1-A: DRIVE_CNTRL_UNIT1.A25 MOTOR1_OUT.6 | length 125.7
  Top Layer w0.254: MOTOR1_OUT.6@11.03,178.5 16.75,172.78 16.75,169.05 14.75,167.05 v1(14.75,161.35)
  Bottom Layer w0.254: MOTOR1_OUT.6@11.03,178.5 11.45,178.5 MOTOR1_OUT.6@11.5,178.55 ; v1(14.75,161.35) 14.75,141.3 22.05,134 22.05,120.5 37.85,104.7 69.5,104.7 70.2,104 70.2,102.6 70.55,102.25 73.2,102.25 DRIVE_CNTRL_UNIT1.A25@74.2,101.25
ENC1-B: DRIVE_CNTRL_UNIT1.A26 MOTOR1_OUT.7 | length 128.5
  Top Layer w0.254: MOTOR1_OUT.7@11.03,181.5 14,181.5 19.95,175.55 19.95,169.723 16.7,166.473 v1(16.7,161.3)
  Bottom Layer w0.254: v1(16.7,161.3) 16.7,142.2 24.1,134.8 24.1,121.45 39.6,105.95 72.5,105.95 DRIVE_CNTRL_UNIT1.A26@75.2,103.25
ENC1-I: DRIVE_CNTRL_UNIT1.A27
ENC1-PWR: DRIVE_CNTRL_UNIT1.A24 MOTOR1_OUT.2 | length 127.7
  Top Layer w0.254: MOTOR1_OUT.2@8.03,178.5 9.43,179.9 12,179.9 18.3,173.6 18.3,169.055 15.7,166.455 v1(15.7,161.35)
  Bottom Layer w0.254: v1(15.7,161.35) 15.7,141.75 23.05,134.4 23.05,120.95 38.75,105.25 71.2,105.25 DRIVE_CNTRL_UNIT1.A24@73.2,103.25
ENC2-A: DRIVE_CNTRL_UNIT1.B21 MOTOR2_OUT.6 | length 134.9
  Top Layer w0.254: MOTOR2_OUT.6@11.03,18.5 16.45,18.5 20.15,22.2 20.15,83.65 24.7,88.2 v1(47.35,88.2)
  Bottom Layer w0.254: v1(47.35,88.2) 67.3,88.2 72.2,93.1 72.2,97.35 71.7,97.85 71.1,97.85 DRIVE_CNTRL_UNIT1.B21@70.2,98.75
ENC2-B: DRIVE_CNTRL_UNIT1.B22 MOTOR2_OUT.7 | length 129.6
  Top Layer w0.254: MOTOR2_OUT.7@11.03,21.5 17.5,21.5 18.7,22.7 18.7,84.65 24.8,90.75 v1(47.4,90.75)
  Bottom Layer w0.254: v1(47.4,90.75) 68.6,90.75 71.2,93.35 DRIVE_CNTRL_UNIT1.B22@71.2,96.75
ENC2-I: DRIVE_CNTRL_UNIT1.B23
ENC2-PWR: DRIVE_CNTRL_UNIT1.B20 MOTOR2_OUT.2 | length 134.8
  Top Layer w0.254: MOTOR2_OUT.2@8.03,18.5 9.58,20.05 16.95,20.05 19.3,22.4 19.3,84.25 24.5,89.45 v1(47.4,89.45)
  Bottom Layer w0.254: v1@47.4,89.4 v1(47.4,89.45) 46.35,90.5 46.35,91.45 47.35,92.45 68.8,92.45 69.2,92.85 DRIVE_CNTRL_UNIT1.B20@69.2,96.75
ENC3-A: DRIVE_CNTRL_UNIT1.B26 MOTOR3_OUT.6 | length 201.9
  Top Layer w0.254: DRIVE_CNTRL_UNIT1.B26@75.2,96.75 75.2,67.5 79.75,62.95 v1(79.75,54) ; v1(163.1,54.95) 163.1,22.15 163.75,21.5 MOTOR3_OUT.6@188.97,21.5
  Bottom Layer w0.254: v1(79.75,54) 79.75,46.852 85.202,41.4 141.7,41.4 155.25,54.95 v1(163.1,54.95)
ENC3-B: DRIVE_CNTRL_UNIT1.B27 MOTOR3_OUT.7 | length 206.3
  Top Layer w0.254: DRIVE_CNTRL_UNIT1.B27@76.2,98.75 76.2,67.45 81.2,62.45 v1(81.2,54) ; v1(161.5,56.2) 161.5,20.7 163.7,18.5 MOTOR3_OUT.7@188.97,18.5
  Bottom Layer w0.254: v1(81.2,54) 81.2,46.55 85.75,42 141.4,42 155.65,56.25 161.45,56.25 v1(161.5,56.2)
ENC3-I: DRIVE_CNTRL_UNIT1.B28
ENC3-PWR: DRIVE_CNTRL_UNIT1.B25 MOTOR3_OUT.2 | length 209
  Top Layer w0.254: DRIVE_CNTRL_UNIT1.B25@74.2,98.75 74.2,67.55 78.3,63.45 v1(78.3,54.05) ; v1(162.25,54) 162.25,21.1 163.35,20 190.47,20 MOTOR3_OUT.2@191.97,21.5
  Bottom Layer w0.254: v1(78.3,54.05) 78.3,47.2 84.65,40.85 141.95,40.85 155.1,54 v1(162.25,54)
ENC4-A: DRIVE_CNTRL_UNIT1.A30 MOTOR4_OUT.6 | length 291.9
  Top Layer w0.254: v1(18.75,161.25) 18.75,163.9 24.35,169.5 v1(38.2,169.5) ; v1(91.9,159.55) 91.9,161.2 96.15,165.45 108.8,165.45 112.35,169 v1(113.85,169) ; v1(164.85,181.35) 164.923,181.423 188.627,181.423 188.65,181.4 188.75,181.5 MOTOR4_OUT.6@188.97,181.5
  Bottom Layer w0.254: v1(18.75,161.25) 18.75,141.9 25.65,135 25.65,123.55 42,107.2 75.25,107.2 DRIVE_CNTRL_UNIT1.A30@79.2,103.25 ; v1(38.2,169.5) 43.05,169.5 53,159.55 v1(91.9,159.55) ; v1(113.85,169) 144.95,169 157.3,181.35 v1(164.85,181.35)
ENC4-B: DRIVE_CNTRL_UNIT1.A31 MOTOR4_OUT.7 | length 293.2
  Top Layer w0.254: v1(19.85,161.25) 19.85,163.5 24.65,168.3 v1(38.15,168.3) ; v1(92.75,158.6) 92.8,158.6 92.75,158.65 92.75,161 96.65,164.9 109.15,164.9 112.25,168 v1(113.85,168) ; v1(164.8,180.2) 172.6,180.2 174.3,178.5 MOTOR4_OUT.7@188.97,178.5
  Bottom Layer w0.254: v1(19.85,161.25) 19.85,141.8 26.5,135.15 26.5,124 42.65,107.85 76.2,107.85 80.2,103.85 DRIVE_CNTRL_UNIT1.A31@80.2,101.25 ; v1(38.15,168.3) 42.7,168.3 52.4,158.6 v1(92.75,158.6) ; v1(113.85,168) 145.8,168 158,180.2 v1(164.8,180.2)
ENC4-I: DRIVE_CNTRL_UNIT1.A32
ENC4-PWR: DRIVE_CNTRL_UNIT1.A29 MOTOR4_OUT.2 | length 299
  Top Layer w0.254: v1(17.75,161.3) 17.75,164 24.35,170.6 v1(38.2,170.6) ; v1(90.65,160.35) 90.65,161.3 95.3,165.95 108.2,165.95 112.25,170 v1(113.85,170) ; v1(166.1,182.4) 181.95,182.4 182.6,183.05 190.42,183.05 MOTOR4_OUT.2@191.97,181.5
  Bottom Layer w0.254: v1(17.75,161.3) 17.75,142.05 24.999,134.801 24.999,123.001 41.35,106.65 73.9,106.65 76.2,104.35 76.2,102.7 76.75,102.15 77.3,102.15 78.15,101.3 78.2,101.3 DRIVE_CNTRL_UNIT1.A29@78.2,101.25 ; v1(38.2,170.6) 43.35,170.6 53.6,160.35 v1(90.65,160.35) ; v1(113.85,170) 144.3,170 156.7,182.4 v1(166.1,182.4)
ESTOP_12V: ESTOP.2 PWR_CNTRL_UNIT.A29 PWR_CNTRL_UNIT.A30 | length 90.4
  Top Layer w0.254: ESTOP.2@11.03,160 11.03,159.92 11.05,159.9 11.15,160 32.95,160 39.4,166.45 39.4,177.8 44.7,183.1 76.85,183.1 79.2,180.75 PWR_CNTRL_UNIT.A30@79.2,178.25
  Bottom Layer w1: PWR_CNTRL_UNIT.A29@78.2,176.25 78.2,177.25 PWR_CNTRL_UNIT.A30@79.2,178.25
ESTOP_IN: ESTOP.1 PWR_CNTRL_UNIT.B29 PWR_CNTRL_UNIT.B30 SYS_CNTRL_UNIT.A29 SYS_CNTRL_UNIT.A30 | length 107.7
  Top Layer w0.254: ESTOP.1@8.03,160 8.03,159.97 8.05,159.95 8.05,157.3 9.05,156.3 v1(45.35,156.3) ; SYS_CNTRL_UNIT.A30@79.2,148.25 PWR_CNTRL_UNIT.B30@79.2,171.75
  Top Layer w1: SYS_CNTRL_UNIT.A29@78.2,146.25 79.2,147.25 SYS_CNTRL_UNIT.A30@79.2,148.25
  Bottom Layer w0.254: v1(45.35,156.3) 74.15,156.3 79.2,151.25 SYS_CNTRL_UNIT.A30@79.2,148.25
  Bottom Layer w1: PWR_CNTRL_UNIT.B29@78.2,173.75 79.2,172.75 PWR_CNTRL_UNIT.B30@79.2,171.75
EXTRA_GND: PWR_CNTRL_UNIT.B33 PWR_CNTRL_UNIT.B34 PWR_CNTRL_UNIT.B35 ROUTER.2 ROUTER.3 SPEAKER.2 SPEAKER.3 | length 161.7
  Top Layer w1.27: PWR_CNTRL_UNIT.B34@83.2,171.75 83.2,169.1 83.65,168.65 v2(99.85,168.65) ; v2(145.65,159) 145.65,151.2 175.45,121.4 189.4,121.4 ROUTER.2@193,125
  Top Layer w2: SPEAKER.3@190,144.7 190,143 SPEAKER.2@193,140 193,132.7 ROUTER.3@190,129.7 190,128 ROUTER.2@193,125
  Bottom Layer w1.27: v2(99.85,168.65) 105.4,168.65 115.05,159 v2(145.65,159)
GIGAVAC-NC: DRIVE_CNTRL_UNIT1.A34 GIGAVAC.9 | length 110
  Top Layer w0.254: v1(13.7,107.55) 13.7,102.5 18.2,98 v1(24.75,98)
  Bottom Layer w0.254: GIGAVAC.9@11.03,118.5 11.15,118.5 13.7,115.95 v1(13.7,107.55) ; v1(24.75,98) 24.75,92.95 30.85,86.85 78.95,86.85 82.2,90.1 82.2,97.25 83.2,98.25 DRIVE_CNTRL_UNIT1.A34@83.2,103.25
GIGAVAC-NO: DRIVE_CNTRL_UNIT1.B34 GIGAVAC.10 | length 109
  Top Layer w0.254: v1(15.4,107.5) 15.45,107.45 15.45,103.2 19.2,99.45 v1(24.7,99.45)
  Bottom Layer w0.254: GIGAVAC.10@11.03,121.5 13.15,119.38 13.15,117.6 15.4,115.35 v1(15.4,107.5) ; v1(24.7,99.45) 23.4,98.15 23.4,93.3 30.8,85.9 79.25,85.9 83.2,89.85 DRIVE_CNTRL_UNIT1.B34@83.2,96.75